# KiCad board pcb-rails.kicad_pcb (continued)
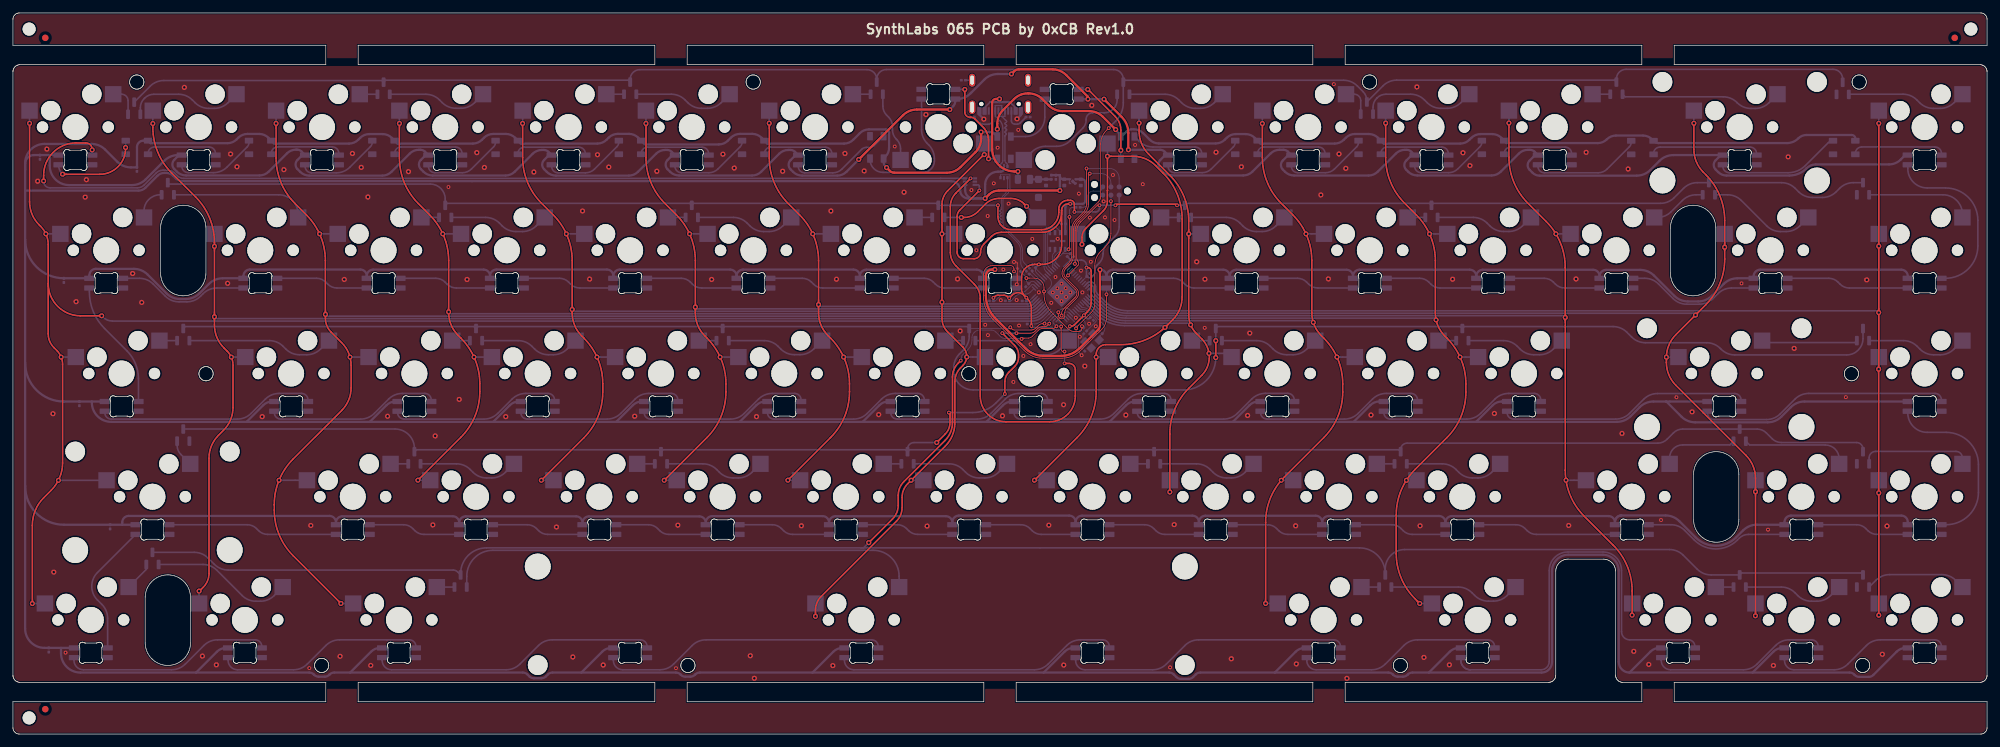
[diagram p0: board, top side]
## Routing (per net, layer and track width the routed paths; a pad name or vN(x,y) marks a point on that pad's centre or on a via; arc(x,y) is an arc through that point) (continued)
Board_0-Net-(D102-A2): length 2.7
  Bottom w0.25: MX35.2 105.98,60.83 D102.2
Board_0-Net-(D103-A1): length 15.8
  Bottom w0.25: MX38.2 161.83,59.53 arc(160.85,58.88) 159.71,58.65 158.84,58.65 arc(157.69,58.88) 156.72,59.53 156.29,59.95 arc(155.32,60.6) 154.17,60.83 D103.1
Board_0-Net-(D103-A2): length 2.7
  Bottom w0.25: MX37.2 144.08,60.83 D103.2
Board_0-Net-(D104-A1): length 15.8
  Bottom w0.25: D104.1 192.18,60.83 arc(193.33,60.6) 194.3,59.95 194.73,59.53 arc(195.7,58.88) 196.85,58.65 197.81,58.65 arc(198.95,58.88) 199.93,59.53 MX40.2
Board_0-Net-(D104-A2): length 2.7
  Bottom w0.25: D104.2 182.18,60.83 MX39.2
Board_0-Net-(D105-A1): length 15.8
  Bottom w0.25: D105.1 230.34,60.83 arc(231.49,60.6) 232.46,59.95 232.89,59.53 arc(233.86,58.88) 235.01,58.65 235.91,58.65 arc(237.05,58.88) 238.03,59.53 MX42.2
Board_0-Net-(D105-A2): length 2.7
  Bottom w0.25: D105.2 220.28,60.83 MX41.2
Board_0-Net-(D106-A1): length 15.8
  Bottom w0.25: D106.1 292.12,60.83 arc(293.27,60.6) 294.24,59.95 294.68,59.52 arc(295.65,58.87) 296.8,58.64 297.81,58.64 arc(298.96,58.87) 299.93,59.52 MX44.2
Board_0-Net-(D106-A2): length 14.9
  Bottom w0.25: MX43.2 270.58,60.53 284.63,60.53 D106.2
Board_0-Net-(D107-A2): length 4.3
  Bottom w0.25: MX45.2 25.95,43.22 arc(25.52,43.87) 25.37,44.64 D107.2
Board_0-Net-(D108-A1): length 15.8
  Bottom w0.25: MX47.2 76.1,40.48 arc(75.13,39.83) 73.98,39.6 73.21,39.6 arc(72.06,39.83) 71.09,40.48 70.66,40.9 arc(69.69,41.55) 68.54,41.78 D108.1
Board_0-Net-(D108-A2): length 2.7
  Bottom w0.25: D108.2 58.36,41.78 MX46.2
Board_0-Net-(D109-A1): length 15.8
  Bottom w0.25: D109.1 106.62,41.78 arc(107.77,41.55) 108.74,40.9 109.17,40.48 arc(110.14,39.83) 111.29,39.6 112.08,39.6 arc(113.23,39.83) 114.2,40.48 MX49.2
Board_0-Net-(D109-A2): length 2.7
  Bottom w0.25: MX48.2 99.18,41.78 D109.2
Board_0-Net-(D110-A1): length 15.8
  Bottom w0.25: D110.1 144.66,41.78 arc(145.81,41.55) 146.78,40.9 147.21,40.48 arc(148.18,39.83) 149.33,39.6 150.18,39.6 arc(151.33,39.83) 152.3,40.48 MX51.2
Board_0-Net-(D110-A2): length 2.7
  Bottom w0.25: D110.2 137.28,41.78 MX50.2
Board_0-Net-(D111-A1): length 15.8
  Bottom w0.25: MX53.2 190.4,40.48 arc(189.43,39.83) 188.28,39.6 187.56,39.6 arc(186.41,39.83) 185.44,40.48 185.01,40.9 arc(184.04,41.55) 182.89,41.78 D111.1
Board_0-Net-(D111-A2): length 2.7
  Bottom w0.25: MX52.2 175.38,41.78 D111.2
Board_0-Net-(D112-A1): length 15.8
  Bottom w0.25: D112.1 220.87,41.78 arc(222.02,41.55) 222.99,40.9 223.42,40.48 arc(224.39,39.83) 225.54,39.6 226.38,39.6 arc(227.53,39.83) 228.5,40.48 MX55.2
Board_0-Net-(D112-A2): length 2.7
  Bottom w0.25: MX54.2 213.48,41.78 D112.2
Board_0-Net-(D113-A1): length 16.7
  Bottom w0.25: MX57.2 282.19,42.56 arc(281.56,44.07) 280.05,44.7 268.36,44.7 D113.1
Board_0-Net-(D113-A2): length 12.2
  Bottom w0.25: D113.2 265.3,44.71 258,44.71 arc(256.58,44.12) 256,42.71 MX56.2
Board_0-Net-(D114-A1): length 17.4
  Bottom w0.25: D114.1 286.83,42.7 arc(287.12,43.41) 287.83,43.7 300.24,43.7 arc(300.95,43.41) 301.24,42.7 MX58.2
Board_0-Net-(D115-A1): length 22.1
  Bottom w0.25: D115.1 29.37,26.22 arc(30.52,25.99) 31.49,25.34 35.42,21.42 arc(36.39,20.77) 37.54,20.54 38.25,20.54 arc(39.4,20.77) 40.37,21.42 MX60.2
Board_0-Net-(D115-A2): length 4.6
  Bottom w0.25: D115.2 20.61,25.46 MX59.2
Board_0-Net-(D116-A1): length 74.7
  Bottom w0.25: MX62.2 136.94,24.41 arc(135.76,27.24) 132.94,28.41 74.15,28.41 arc(71.31,27.23) 70.13,24.39 D116.1
Board_0-Net-(D116-A2): length 2.7
  Bottom w0.25: D116.2 65.5,22.73 MX61.2
Board_0-Net-(D117-A1): length 20.6
  Bottom w0.25: MX64.2 230.88,21.43 arc(229.91,20.78) 228.76,20.55 228,20.55 arc(226.85,20.78) 225.88,21.43 225.45,21.85 arc(224.48,22.5) 223.33,22.73 D117.1
Board_0-Net-(D117-A2): length 2.7
  Bottom w0.25: MX63.2 208.38,22.73 D117.2
Board_0-Net-(D118-A1): length 15.8
  Bottom w0.25: MX66.2 280.88,21.42 arc(279.91,20.77) 278.76,20.54 277.92,20.54 arc(276.77,20.77) 275.8,21.42 275.36,21.85 arc(274.39,22.5) 273.24,22.73 D118.1
Board_0-Net-(D118-A2): length 2.7
  Bottom w0.25: MX65.2 263.14,22.73 D118.2
Board_0-Net-(D119-A1): length 15.7
  Bottom w0.25: MX67.2 300.2,23.78 arc(299.22,24.43) 298.07,24.65 289.99,24.65 arc(288.84,24.43) 287.87,23.78 D119.1
Board_0-Net-(D120-A2): length 3.3
  Bottom w0.35: F1.2 D120.2 160.45,85.77 FB1.1
Board_0-Net-(F1-Pad1): length 22.8
  Top w0.35: v2(155.29,86.99) 154.76,86.99 arc(152.33,88) 151.32,90.44 151.32,97.63 arc(151.48,98.03) 151.88,98.2 v2(152.45,98.2)
  Bottom w0.25: 154.03,97.72 154.06,97.72 154.94,96.84 J2.A9 ; J2.A4 150.14,96.85 151.01,97.72 151.05,97.72
  Bottom w0.35: v2(155.29,86.99) 155.29,86.99 F1.1 ; 154.03,97.72 152.45,97.72 ; 152.45,97.72 v2(152.45,98.2) ; 152.45,97.72 151.05,97.72
Board_0-Net-(J2-CC1): length 5
  Bottom w0.25: R3.1 149.49,94.44 arc(149.65,94.33) 149.84,94.29 150.79,94.29 arc(151.14,94.44) 151.29,94.79 J2.A5
Board_0-Net-(J2-CC2): length 4.5
  Bottom w0.25: R4.1 155.6,94.46 arc(155.44,94.35) 155.25,94.31 154.79,94.31 arc(154.43,94.46) 154.29,94.81 J2.B5
Board_0-Net-(J2-SHIELD): length 1
  Bottom w0.25: FB2.1 J2.S1
Board_0-Net-(U6-XTAL_IN): length 7.6
  Bottom w0.128: U6.20 165.21,65.96 arc(165.85,65.83) 166.38,65.48 168.43,63.43 arc(168.72,62.72) 168.43,62.02 C23.2 167.86,61.45 Y2.3
Board_0-Net-(U6-XTAL_OUT): length 5.9
  Bottom w0.128: R20.2 167.32,63.75 arc(167.41,63.96) 167.32,64.17 166.25,65.25 arc(165.78,65.56) 165.23,65.67 164.94,65.67 U6.21
Board_0-R0: length 308.8
  Top w0.128: v1(164.1,72.7) 164.14,72.74 164.14,77.87 arc(164.29,78.63) 164.72,79.28 167.73,82.28 arc(167.99,82.68) 168.09,83.16 168.09,91.22 arc(168.32,92.37) 168.97,93.34 v1(169.32,93.69)
  Bottom w0.128: v1(164.1,72.7) 163.42,72.7 arc(163.34,72.68) 163.28,72.64 U6.2
  Bottom w0.25: v1(169.32,93.69) 170.41,94.78 arc(171.27,96.08) 171.58,97.61 D88.3 ; D88.3 171.58,101.25 arc(171.14,102.31) 170.08,102.75 134.98,102.75 arc(133.92,102.31) 133.48,101.25 D87.3 133.48,101.23 arc(133.04,102.29) 131.98,102.73 96.88,102.73 arc(95.82,102.29) 95.38,101.23 D86.3 95.09,101.1 57.58,101.1 D85.3 57.02,101.05 23.32,101.05 arc(22.17,100.82) 21.2,100.17 D84.3 ; D88.3 171.87,101.09 205.62,101.09 arc(206.77,100.86) 207.74,100.21 208.63,99.32 arc(209.06,98.67) 209.22,97.91 D89.3 211.71,100.23 arc(212.68,100.88) 213.83,101.11 247.48,101.11 D90.3 247.78,101.28 arc(248.22,102.34) 249.28,102.78 281.24,102.78 arc(282.3,102.34) 282.74,101.28 D91.3
Board_0-R1: length 290.2
  Top w0.128: v1(163.03,70.91) 164.55,72.44 arc(164.7,72.79) 164.55,73.14 164.54,73.16 arc(164.43,73.32) 164.39,73.51 164.39,77.76 arc(164.55,78.53) 164.98,79.18 167.56,81.76 v1(167.9,81.76) ; 179.71,81.93 v1(179.88,81.76) ; v1(170.36,81.76) 170.53,81.93
  Top w0.25: v1(152.21,81.76) 152.21,80 arc(152.79,78.58) 154.21,78 158.92,78 arc(160.82,78.78) 161.61,80.68 161.61,81.15 arc(162.01,82.12) 162.99,82.53 163.4,82.53 arc(163.84,82.35) 164.02,81.91 v1(164.02,80.73) ; 170.53,81.93 179.71,81.93
  Bottom w0.128: U6.3 162.93,71.72 162.93,71.01 v1(163.03,70.91)
  Bottom w0.25: v1(152.21,81.76) 152.2,81.76 D95.3 142.7,82.06 105.2,82.06 D94.3 104.6,82.06 67.1,82.06 D93.3 66.8,82.73 arc(66.12,84.36) 64.49,85.04 24.14,85.04 D92.3 ; v1(170.36,81.76) v1(167.9,81.76) 167.9,81.32 arc(167.73,80.9) 167.31,80.73 v1(164.02,80.73) ; D99.3 284.39,85.26 arc(283.24,85.03) 282.27,84.38 281.74,83.85 arc(280.76,83.2) 279.61,82.97 278.05,82.97 arc(276.9,83.2) 275.93,83.85 275.4,84.38 arc(274.42,85.03) 273.28,85.26 D98.3 260.27,85.26 arc(259.12,85.03) 258.15,84.38 256.71,82.94 arc(255.73,82.29) 254.58,82.06 219.5,82.06 D97.3 218.9,82.06 181.4,82.06 D96.3 v1(179.88,81.76)
Board_0-R2: length 297.8
  Top w0.128: v1(154.12,62.9) 154.4,62.62 arc(154.56,62.51) 154.75,62.47 157.34,62.47 arc(157.72,62.55) 158.04,62.77 158.45,63.18 arc(158.78,63.39) 159.16,63.47 v1(159.41,63.47)
  Top w0.25: v2(185.87,58.21) v2(185.87,60.83)
  Bottom w0.128: U6.32 159.41,63.68 v1(159.41,63.47) ; D103.3 147.79,62.73 153.94,62.73 v1(154.12,62.9)
  Bottom w0.25: D106.3 285.88,61.15 arc(285.14,59.36) 283.35,58.62 266.08,58.62 arc(264.93,58.85) 263.96,59.5 263.83,59.63 arc(262.85,60.28) 261.7,60.51 252.25,60.51 arc(251.1,60.74) 250.13,61.39 249.39,62.13 arc(248.41,62.78) 247.27,63.01 224.27,63.01 D105.3 223.67,63.01 186.17,63.01 D104.3 v2(185.87,60.83) ; D100.3 26.62,63.01 71.26,63.01 D101.3 71.86,63.01 109.37,63.01 D102.3 109.97,63.01 147.47,63.01 D103.3 147.77,61.52 arc(147.54,60.37) 146.89,59.4 146.26,58.77 arc(145.61,57.8) 145.38,56.65 145.38,56.21 arc(146.26,54.09) 148.38,53.21 180.87,53.21 arc(184.4,54.67) v2(185.87,58.21)
Board_0-R3: length 306.9
  Top w0.128: v1(155.06,61.98) 157.22,61.98 arc(157.6,62.06) 157.92,62.28 158.33,62.69 arc(158.66,62.9) 159.04,62.98 159.45,62.98 arc(159.64,63.02) 159.8,63.12 v1(160.13,63.46)
  Top w0.25: v1(152.88,61.99) 154.82,60.05 arc(155.25,59.4) 155.4,58.64 155.4,58.27 arc(155.25,57.51) 154.82,56.86 153.86,55.91 arc(153.43,55.26) 153.28,54.49 v1(153.28,52.58) ; v1(144.62,49.71) 144.8,49.54 144.8,48.19 arc(144.6,47.21) 144.05,46.38 v2(142.74,45.07)
  Bottom w0.128: 152.88,61.98 v1(152.88,61.99) ; U6.31 160.3,64 arc(160.18,63.82) 160.13,63.61 v1(160.13,63.46)
  Bottom w0.25: D110.3 138.54,43.96 176.04,43.96 D111.3 176.64,43.96 214.14,43.96 D112.3 214.44,43.98 arc(214.73,44.69) 215.44,44.98 254.17,44.98 arc(254.93,45.13) 255.58,45.57 256.59,46.57 arc(257.24,47.01) 258,47.16 D113.3 269.52,47.16 arc(270.29,47.01) 270.94,46.57 271.84,45.66 arc(272.49,45.23) 273.26,45.08 284.88,45.08 arc(285.58,44.78) 285.88,44.08 D114.3 ; D110.3 138.24,44.07 arc(138.53,44.78) 139.24,45.07 v2(142.74,45.07) ; D110.3 137.94,43.96 100.44,43.96 D109.3 99.84,43.96 62.34,43.96 D108.3 62.04,44.17 arc(61.16,46.29) 59.04,47.17 D107.3 ; v1(144.62,49.71) 148.34,49.71 arc(150.25,50.09) 151.87,51.17 v1(153.28,52.58) ; v1(155.06,61.98) 152.88,61.98
Board_0-R4: length 330.3
  Top w0.128: v1(161.25,63.05) 161.07,62.87 arc(160.9,62.76) 160.71,62.72 159.16,62.72 arc(158.78,62.65) 158.45,62.43 157.53,61.51 arc(157.25,61.31) 156.92,61.22 155.99,61.22 v1(155.87,61.1)
  Top w0.25: v2(132.24,29.59) 135.92,33.27 arc(136.57,34.24) 136.8,35.39 136.8,36.92 arc(137.03,38.07) 137.68,39.04 144.04,45.41 arc(144.88,46.66) 145.18,48.15 145.18,55.21 arc(145.41,56.37) 146.07,57.36 v1(146.46,57.75)
  Bottom w0.128: U6.30 160.8,63.94 arc(160.71,63.72) 160.8,63.5 v1(161.25,63.05) ; v1(146.46,57.75) 146.54,57.83 146.54,58.22 arc(146.58,58.41) 146.68,58.58 147.61,59.5 arc(148.04,60.15) 148.2,60.92 148.2,61.32 arc(148.27,61.7) 148.49,62.02 148.63,62.17 arc(148.96,62.38) 149.34,62.46 151.17,62.46 arc(151.56,62.38) 151.88,62.17 152.6,61.44 arc(152.93,61.23) 153.31,61.15 155.82,61.15 v1(155.87,61.1)
  Bottom w0.25: 131.06,28.79 131.44,28.79 v2(132.24,29.59) ; 131.06,28.79 208.06,28.79 arc(210.89,27.62) 212.06,24.79 D117.3 212.06,25.53 arc(212.94,27.65) 215.06,28.53 255.98,28.53 arc(257.13,28.3) 258.11,27.65 260.27,25.49 arc(261.24,24.84) 262.39,24.61 D118.3 267.13,24.91 285.58,24.91 D119.3 ; 131.06,28.79 73.18,28.79 arc(70.35,27.62) 69.18,24.79 D116.3 68.72,25.07 arc(68.39,25.28) 68.01,25.36 33.25,25.36 arc(32.11,25.59) 31.13,26.24 30.15,27.22 arc(29.18,27.87) 28.03,28.1 D115.3
Board_0-VCC: length 2382.9
  Top w0.35: v2(135,87.59) 135.5,87.09 arc(135.82,86.87) 136.21,86.8 144.32,86.8 arc(145.47,87.02) 146.44,87.67 148.73,89.96 arc(149.38,90.93) 149.61,92.08 v2(149.61,93.09) ; v2(152.11,93.53) 152.11,94.36 arc(152.34,95.51) 152.99,96.48 154.69,98.18 arc(155.66,98.83) 156.81,99.06 156.95,99.06 arc(158.1,98.83) 159.08,98.18 160.05,97.2 arc(161.03,96.55) 162.18,96.32 166.3,96.32 arc(167.45,96.1) 168.42,95.45 v2(170.4,93.47) ; v2(168.6,98.16) 171.32,95.43 arc(172.09,94.29) 172.36,92.94 172.36,90.36 v2(172.38,90.34) ; v2(144.77,96.56) 139.66,96.56 arc(138.51,96.33) 137.54,95.68 v2(130.7,88.84) ; v2(161.78,84.04) 152.34,84.04 arc(151.52,83.88) 150.81,83.41 v2(150.23,82.82) ; v2(151.73,71.83) 151.34,71.83 arc(150.63,71.54) 150.34,70.83 150.34,67.82 arc(150.72,65.91) 151.8,64.28 156.43,59.65 arc(157.73,58.79) 159.26,58.48 161.98,58.48 arc(163.51,58.79) 164.81,59.65 167.68,62.53 arc(167.9,62.85) 167.97,63.23 167.97,71.83 ; v2(154.3,102.06) 154.72,102.49 arc(155.05,102.7) 155.43,102.78 160.63,102.78 arc(161.78,102.55) 162.75,101.9 166.11,98.55 v2(166.11,98.17)
  Bottom w0.128: U8.3 163.24,85.22 163.24,85.7 U8.4
  Bottom w0.35: D29.1 292.4,89.52 291.7,88.82 arc(290.88,88.27) 289.91,88.08 278.59,88.08 arc(277.82,87.93) 277.17,87.49 277.12,87.44 arc(275.92,86.64) 274.51,86.36 264.78,86.36 arc(264.09,86.5) 263.51,86.89 263.1,87.29 arc(262.81,88) 263.1,88.71 263.92,89.52 D28.1 256.56,89.52 arc(255.42,89.29) 254.44,88.64 253.02,87.22 arc(252.05,86.57) 250.9,86.34 235.9,86.34 arc(235.31,86.46) 234.82,86.79 234.35,87.25 arc(234.06,87.96) 234.35,88.67 235.21,89.52 D27.1 235.13,90.04 arc(234.81,90.26) 234.42,90.33 234.11,90.33 arc(233.34,90.18) 232.69,89.75 229.91,86.96 arc(229.26,86.52) 228.49,86.37 217,86.37 arc(216.24,86.52) 215.59,86.96 215.29,87.25 arc(215,87.96) 215.29,88.67 216.15,89.52 D26.1 216.08,90.04 arc(215.76,90.26) 215.37,90.33 215.1,90.33 arc(214.33,90.18) 213.68,89.75 210.89,86.95 arc(210.24,86.51) 209.47,86.36 197.97,86.36 arc(197.21,86.51) 196.56,86.95 196.23,87.28 arc(195.94,87.98) 196.23,88.69 197.06,89.52 D25.1 197.02,90.05 arc(196.7,90.26) 196.31,90.34 195.74,90.34 arc(194.97,90.19) 194.32,89.76 191.53,86.96 arc(190.88,86.52) 190.11,86.37 179.07,86.37 arc(178.31,86.52) 177.66,86.96 177.28,87.34 arc(176.99,88.04) 177.28,88.75 178.05,89.52 D24.1 177.97,90.05 arc(177.65,90.26) 177.26,90.34 172.38,90.34 v2(172.38,90.34) ; 1.88,38.36 1.88,57.42 ; 1.88,38.36 1.88,16.33 arc(2.76,14.2) 4.88,13.33 9.43,13.33 ; 1.88,38.36 arc(3.64,34.12) 7.88,32.36 16.89,32.36 ; 1.88,57.42 1.88,76.47 ; 1.88,57.42 arc(3.64,53.17) 7.88,51.42 12.19,51.42 ; D51.1 135.29,51.42 arc(134.52,51.27) 133.87,50.83 131.31,48.27 ; 159.27,9.51 162.49,12.73 arc(163.14,13.17) 163.91,13.32 164.22,13.32 ; 159.27,9.51 123.55,9.51 ; 159.27,9.51 178.67,9.51 arc(179.05,9.44) 179.38,9.22 179.77,8.82 arc(180.1,8.61) 180.48,8.53 181.66,8.53 arc(182.05,8.61) 182.37,8.82 182.77,9.22 arc(183.09,9.44) 183.47,9.51 194.99,9.51 ; 12.19,51.42 12.19,51.27 arc(13.07,49.15) 15.19,48.27 36.1,48.27 ; 12.19,51.42 14.19,51.42 D45.1 ; 194.99,9.51 212.52,9.51 arc(212.9,9.44) 213.23,9.22 213.28,9.16 arc(213.61,8.95) 213.99,8.87 214.79,8.87 arc(215.18,8.95) 215.5,9.16 215.56,9.22 arc(215.88,9.44) 216.26,9.51 218.8,9.51 ; 194.99,9.51 198.21,12.73 arc(198.86,13.17) 199.63,13.32 199.94,13.32 ; D48.1 78.19,51.42 arc(77.42,51.27) 76.77,50.83 74.21,48.27 ; D56.1 230.07,51.42 arc(229.3,51.27) 228.65,50.83 226.09,48.27 ; 292.8,13.32 292.49,13.32 arc(291.72,13.17) 291.07,12.73 287.47,9.13 arc(287.15,8.92) 286.76,8.84 285.3,8.84 arc(284.92,8.92) 284.59,9.13 284.51,9.22 arc(284.18,9.44) 283.8,9.51 268.81,9.51 ; 268.81,9.51 272.03,12.73 arc(272.68,13.17) 273.45,13.32 273.76,13.32 ; 268.81,9.51 249.79,9.51 ; 188.5,48.27 191.06,50.83 arc(191.71,51.27) 192.48,51.42 D54.1 ; 188.5,48.27 207.17,48.27 ; 188.5,48.27 169.44,48.27 ; 28.3,9.51 10.43,9.51 arc(8.3,10.39) 7.43,12.51 7.43,13.31 ; 28.3,9.51 45.78,9.51 arc(46.16,9.44) 46.49,9.22 46.54,9.16 arc(46.87,8.95) 47.25,8.87 48.17,8.87 arc(48.56,8.95) 48.88,9.16 48.94,9.22 arc(49.26,9.44) 49.64,9.51 52.11,9.51 ; 28.3,9.51 31.52,12.73 arc(32.17,13.17) 32.94,13.32 33.25,13.32 ; 112.3,48.27 131.31,48.27 ; 112.3,48.27 93.22,48.27 ; 112.3,48.27 114.86,50.83 arc(115.51,51.27) 116.28,51.42 D50.1 ; 131.31,48.27 150.42,48.27 ; 92.78,13.32 92.47,13.32 arc(91.7,13.17) 91.05,12.73 87.83,9.51 ; 52.11,9.51 78.79,9.51 arc(79.17,9.44) 79.5,9.22 79.79,8.92 arc(80.12,8.71) 80.5,8.63 81.66,8.63 arc(82.05,8.71) 82.37,8.92 82.67,9.22 arc(82.99,9.44) 83.37,9.51 87.83,9.51 ; 52.11,9.51 55.33,12.73 arc(55.98,13.17) 56.75,13.32 D75.1 ; 111.82,70.82 D35.1 111.82,70.82 ; 111.82,70.82 arc(111.53,71.53) 110.82,71.82 93.77,71.82 arc(93.07,71.53) 92.77,70.82 D34.1 92.77,70.83 arc(92.48,71.54) 91.77,71.83 74.72,71.83 arc(74.02,71.54) 73.72,70.83 D33.1 73.72,70.82 arc(73.43,71.53) 72.72,71.82 55.67,71.82 arc(54.97,71.53) 54.67,70.82 D32.1 54.67,70.83 arc(54.38,71.54) 53.67,71.83 36.62,71.83 arc(35.92,71.54) 35.62,70.83 D31.1 32.4,70.47 arc(31.25,70.24) 30.28,69.59 28.83,68.14 arc(27.85,67.49) 26.7,67.26 25.84,67.26 arc(24.69,67.49) 23.72,68.14 20.81,71.05 arc(19.83,71.7) 18.68,71.93 12.81,71.93 arc(12.1,71.64) 11.81,70.93 D30.1 11.81,70.47 7.88,70.47 arc(3.64,72.23) 1.88,76.47 ; 111.82,70.82 arc(112.12,71.53) 112.82,71.82 129.87,71.82 arc(130.58,71.53) 130.87,70.82 D36.1 130.87,70.81 arc(131.17,71.52) 131.87,71.81 148.92,71.81 arc(149.63,71.52) 149.92,70.81 D37.1 149.92,70.83 arc(150.22,71.54) 150.92,71.83 151.73,71.83 v2(151.73,71.83) ; 123.55,9.51 106.14,9.51 arc(105.76,9.44) 105.44,9.22 105.38,9.16 arc(105.06,8.95) 104.67,8.87 103.91,8.87 arc(103.53,8.95) 103.2,9.16 103.15,9.22 arc(102.82,9.44) 102.44,9.51 87.83,9.51 ; 123.55,9.51 126.77,12.73 arc(127.42,13.17) 128.19,13.32 128.5,13.32 ; 207.17,48.27 226.09,48.27 ; 207.17,48.27 209.73,50.83 arc(210.38,51.27) 211.15,51.42 D55.1 ; 226.09,48.27 247.86,48.27 arc(249,48.5) 249.98,49.15 251.37,50.54 arc(252.34,51.19) 253.49,51.42 255.44,51.42 ; v2(154.3,102.06) 152.21,102.06 arc(151.06,101.83) 150.09,101.18 147.97,99.06 arc(146.99,98.41) 145.84,98.18 D22.1 145.6,97.81 arc(145.52,97.42) 145.31,97.1 v2(144.77,96.56) ; D58.1 276.85,51.42 arc(275.7,51.19) 274.73,50.54 273.27,49.08 arc(272.29,48.43) 271.14,48.2 259.95,48.2 arc(258.8,48.43) 257.83,49.08 255.49,51.42 255.44,51.42 ; D47.1 59.12,51.42 arc(58.35,51.27) 57.7,50.83 55.14,48.27 ; D14.3 284.7,92.07 arc(284.53,92.47) 284.14,92.63 277.15,92.63 arc(276.46,92.49) 275.88,92.11 arc(275.07,91.57) 274.12,91.38 254.29,91.38 arc(253.9,91.45) 253.58,91.67 D13.3 253.29,91.95 arc(252.64,92.39) 251.88,92.54 247.71,92.54 arc(246.94,92.39) 246.29,91.95 arc(245.65,91.53) 244.89,91.38 230.81,91.38 D12.3 230,92.18 arc(229.35,92.62) 228.59,92.77 226.78,92.77 arc(226.01,92.62) 225.36,92.18 225.06,91.89 arc(224.41,91.45) 223.65,91.3 211.83,91.3 D11.3 210.93,92.19 arc(210.28,92.63) 209.52,92.78 207.38,92.78 arc(206.61,92.63) 205.96,92.19 205.65,91.89 arc(205,91.45) 204.24,91.3 192.78,91.3 D10.3 191.89,92.18 arc(191.24,92.62) 190.48,92.77 188.97,92.77 arc(188.2,92.62) 187.55,92.18 187.27,91.91 arc(186.62,91.47) 185.86,91.32 177.07,91.32 arc(176.3,91.47) 175.65,91.91 174.63,92.92 arc(173.98,93.36) 173.22,93.51 172.84,93.51 arc(172.46,93.43) 172.14,93.22 171.32,92.4 D9.3 171.2,92.61 170.4,93.41 v2(170.4,93.47) ; 1.88,76.47 1.88,84.02 ; 74.21,48.27 93.22,48.27 ; 74.21,48.27 55.14,48.27 ; D53.1 173.42,51.42 arc(172.65,51.27) 172,50.83 169.44,48.27 ; 16.89,32.36 18.95,32.36 D59.1 ; 16.89,32.36 16.89,32.73 arc(17.18,33.44) 17.89,33.73 48.91,33.73 arc(49.62,33.44) 49.91,32.73 D60.1 49.91,32.68 arc(50.2,33.39) 50.91,33.68 67.96,33.68 arc(68.67,33.39) 68.96,32.68 D61.1 68.96,32.67 arc(69.25,33.38) 69.96,33.67 87.01,33.67 arc(87.72,33.38) 88.01,32.67 D62.1 88.01,32.66 arc(88.3,33.37) 89.01,33.66 106.06,33.66 arc(106.77,33.37) 107.06,32.66 D63.1 107.06,32.7 arc(107.35,33.41) 108.06,33.7 125.11,33.7 arc(125.82,33.41) 126.11,32.7 D64.1 126.11,32.69 arc(126.4,33.4) 127.11,33.69 144.16,33.69 arc(144.87,33.4) 145.16,32.69 D65.1 145.16,32.78 arc(145.45,33.49) 146.16,33.78 163.21,33.78 arc(163.92,33.49) 164.21,32.78 D66.1 164.21,32.77 arc(164.5,33.48) 165.21,33.77 182.26,33.77 arc(182.97,33.48) 183.26,32.77 D67.1 183.26,32.76 arc(183.55,33.47) 184.26,33.76 201.31,33.76 arc(202.02,33.47) 202.31,32.76 D68.1 202.31,32.72 arc(202.6,33.43) 203.31,33.72 220.36,33.72 arc(221.07,33.43) 221.36,32.72 D69.1 221.36,32.71 arc(221.65,33.42) 222.36,33.71 246.56,33.71 arc(247.26,33.42) 247.56,32.71 D70.1 247.56,32.8 247.56,32.89 247.59,33.06 247.65,33.22 247.73,33.37 247.85,33.51 247.98,33.62 248.13,33.71 248.3,33.77 248.47,33.8 248.56,33.8 255.37,33.8 arc(256.52,33.57) 257.5,32.92 260.01,30.41 arc(263.14,29.11) 266.27,30.41 267.35,31.49 arc(268.33,32.14) 269.48,32.37 D71.1 273.75,32.78 arc(274.04,33.49) 274.75,33.78 291.8,33.78 arc(292.51,33.49) 292.8,32.78 D72.1 ; D44.1 292.8,70.8 arc(292.51,71.51) 291.8,71.8 269.99,71.8 arc(269.28,71.51) 268.99,70.8 D43.1 266.47,70.47 arc(265.32,70.24) 264.35,69.59 262.53,67.77 arc(261.55,67.12) 260.4,66.89 258.83,66.89 arc(257.68,67.12) 256.71,67.77 253.59,70.89 arc(252.61,71.54) 251.46,71.77 246.17,71.77 arc(245.47,71.48) 245.17,70.77 D42.1 245.17,70.79 arc(244.88,71.5) 244.17,71.79 227.12,71.79 arc(226.42,71.5) 226.12,70.79 D41.1 226.12,70.8 arc(225.83,71.51) 225.12,71.8 208.07,71.8 arc(207.37,71.51) 207.07,70.8 D40.1 207.07,70.79 arc(206.78,71.5) 206.07,71.79 189.02,71.79 arc(188.32,71.5) 188.02,70.79 D39.1 188.02,70.8 arc(187.73,71.51) 187.02,71.8 169.97,71.8 arc(169.27,71.51) 168.97,70.8 D38.1 168.97,70.83 arc(168.77,71.44) 168.23,71.8 168.01,71.8 ; 1.88,84.02 1.88,87.26 ; 1.88,84.02 19.41,84.02 arc(19.98,84.14) 20.47,84.46 22.33,86.32 arc(22.81,86.65) 23.39,86.76 23.7,86.76 arc(24.28,86.65) 24.76,86.32 25.16,85.93 arc(25.64,85.6) 26.22,85.49 144.97,85.49 arc(145.96,85.08) 146.37,84.09 arc(146.74,83.19) 147.64,82.82 150.22,82.82 ; 1.88,87.26 1.88,88.16 arc(2.28,89.13) 3.24,89.53 5.7,89.53 ; 1.88,87.26 1.88,88.25 arc(2.76,90.37) 4.88,91.25 12.12,91.25 arc(13.27,91.02) 14.25,90.37 16.12,88.49 arc(17.1,87.84) 18.24,87.62 19.17,87.62 19.17,90.75 arc(19.46,91.46) 20.17,91.75 D1.3 21.27,91.36 33.15,91.36 arc(33.91,91.51) 34.56,91.95 34.82,92.2 arc(35.47,92.64) 36.24,92.79 38.06,92.79 arc(38.82,92.64) 39.47,92.2 D2.3 40.38,91.3 51.94,91.3 arc(52.7,91.45) 53.35,91.89 53.65,92.18 arc(54.3,92.62) 55.07,92.77 57.13,92.77 arc(57.89,92.62) 58.54,92.18 D3.3 59.43,91.3 71.06,91.3 arc(71.82,91.45) 72.47,91.89 72.79,92.2 arc(73.44,92.64) 74.21,92.79 76.18,92.79 arc(76.94,92.64) 77.59,92.2 78.03,91.77 D4.3 78.48,91.3 90.31,91.3 arc(91.07,91.45) 91.72,91.89 92.05,92.21 arc(92.7,92.65) 93.47,92.8 95.2,92.8 arc(95.96,92.65) 96.61,92.21 D5.3 97.66,91.17 109.07,91.17 arc(109.83,91.32) 110.48,91.75 110.94,92.21 arc(111.59,92.65) 112.36,92.8 114.25,92.8 arc(115.01,92.65) 115.66,92.21 116.12,91.76 D6.3 116.57,91.3 128.43,91.3 arc(129.19,91.45) 129.84,91.89 130.86,92.9 arc(131.51,93.34) 132.28,93.49 134.87,93.49 arc(135.24,93.34) 135.39,92.97 135.39,90.67 arc(135.23,89.9) 134.8,89.25 D7.3 134.54,88.46 arc(134.61,88.08) 134.83,87.76 v2(135,87.59) ; 169.44,48.27 150.42,48.27 ; U2.5 153.14,87.46 arc(152.99,87.11) 152.64,86.96 152.23,86.96 arc(150.81,86.37) 150.23,84.96 v2(150.23,82.82) 148.41,82.82 arc(147.51,83.19) 147.14,84.1 U7.1 ; 93.22,48.27 95.78,50.83 arc(96.43,51.27) 97.2,51.42 D49.1 ; v2(130.7,88.84) 128.79,86.93 arc(128.14,86.5) 127.37,86.34 121.96,86.34 arc(121.2,86.5) 120.55,86.93 120.15,87.32 arc(119.86,88.03) 120.15,88.74 120.94,89.52 121.35,89.52 120.85,90.02 arc(120.53,90.24) 120.14,90.31 119.82,90.31 arc(119.05,90.16) 118.4,89.73 115.63,86.95 arc(114.98,86.51) 114.21,86.36 102.95,86.36 arc(102.19,86.51) 101.54,86.95 101.15,87.34 arc(100.86,88.04) 101.15,88.75 101.92,89.52 D20.1 101.8,90.02 arc(101.48,90.24) 101.09,90.31 100.79,90.31 arc(100.02,90.16) 99.37,89.73 96.58,86.93 arc(95.93,86.5) 95.16,86.34 83.9,86.34 arc(83.14,86.5) 82.49,86.93 82.07,87.34 arc(81.78,88.05) 82.07,88.76 82.84,89.52 D19.1 82.75,90.02 arc(82.43,90.24) 82.04,90.31 81.73,90.31 arc(80.96,90.16) 80.31,89.73 77.54,86.95 arc(76.89,86.51) 76.12,86.36 64.85,86.36 arc(64.09,86.51) 63.44,86.95 63.03,87.36 arc(62.74,88.06) 63.03,88.77 63.78,89.52 D18.1 64.2,89.52 63.67,90.05 arc(63.34,90.27) 62.96,90.34 62.73,90.34 arc(61.96,90.19) 61.31,89.76 58.49,86.93 arc(57.84,86.5) 57.07,86.34 45.8,86.34 arc(45.04,86.5) 44.39,86.93 43.96,87.35 arc(43.67,88.06) 43.96,88.77 44.72,89.52 D17.1 44.6,90.07 arc(44.28,90.29) 43.89,90.36 43.75,90.36 arc(42.98,90.21) 42.33,89.78 39.52,86.96 arc(38.87,86.52) 38.1,86.37 26.75,86.37 arc(25.99,86.52) 25.34,86.96 24.93,87.37 arc(24.64,88.07) 24.93,88.78 25.67,89.52 D16.1 25.51,89.52 arc(24.36,89.29) 23.39,88.64 20.51,85.76 arc(19.53,85.11) 18.38,84.88 8.69,84.88 arc(6.57,85.76) 5.69,87.88 5.69,89.51 5.7,89.53 ; v2(149.61,93.09) 150.99,93.09 arc(151.37,93.01) 151.69,92.79 D8.3 152.1,93.52 v2(152.11,93.53) ; 150.42,48.27 152.98,50.83 arc(153.63,51.27) 154.4,51.42 D52.1 ; 249.79,9.51 253.02,12.73 arc(253.67,13.17) 254.43,13.32 254.74,13.32 ; 249.79,9.51 arc(248.62,10) 248.14,11.17 248.14,25.26 arc(247.42,27) 245.68,27.72 240.35,27.72 arc(238.56,26.98) 237.82,25.19 237.82,11.12 arc(237.35,9.98) 236.21,9.51 218.8,9.51 ; 36.1,48.27 55.14,48.27 ; 36.1,48.27 38.66,50.83 arc(39.31,51.27) 40.08,51.42 D46.1 ; v2(168.6,98.16) 168.59,98.17 v2(166.11,98.17) 164.66,98.17 D23.1 ; 255.44,51.42 D57.1 ; 5.7,89.53 7.04,89.53 ; 161.78,86.42 161.17,86.42 C16.1 161.15,86.42 FB1.2 ; 161.78,86.42 161.78,86.28 arc(161.92,85.93) 162.28,85.78 C39.1 163.32,85.78 ; 161.78,86.42 v2(161.78,84.04) ; 223.75,13.32 223.44,13.32 arc(222.67,13.17) 222.02,12.73 218.8,9.51
  vias: v2(167.98,71.79)

## Copper pours and planes (outline as drawn; the poured copper is in the pictures)
(no net) on Top: 48.34,5 0,5 0,1 0,0.9 0.02,0.8 0.04,0.71 0.08,0.62 0.12,0.53 0.17,0.44 0.23,0.37 0.29,0.29 0.37,0.23 0.44,0.17 0.53,0.12 0.62,0.08 0.71,0.04 0.8,0.02 0.9,0 1,0 304.05,0 304.15,0 304.24,0.02 304.34,0.04 304.43,0.08 304.52,0.12 304.6,0.17 304.68,0.23 304.76,0.29 304.82,0.37 304.88,0.44 304.93,0.53 304.97,0.62 305.01,0.71 305.03,0.8 305.04,0.9 305.05,1 305.05,5 256.71,5 256.71,7 248.75,7 246.65,9.1 246.65,25.14 246.65,25.2 246.65,25.24 246.64,25.29 246.63,25.33 246.62,25.38 246.61,25.42 246.59,25.46 246.58,25.5 246.56,25.55 246.54,25.59 246.51,25.63 246.49,25.66 246.46,25.7 246.43,25.74 246.4,25.77 246.37,25.8 246.34,25.83 246.3,25.86 246.26,25.89 246.23,25.91 246.19,25.94 246.15,25.96 246.1,25.98 246.06,25.99 246.02,26.01 245.98,26.02 245.93,26.03 245.89,26.04 245.84,26.05 245.8,26.05 245.74,26.05 240.31,26.05 240.25,26.05 240.21,26.05 240.16,26.04 240.12,26.03 240.07,26.02 240.03,26.01 239.98,25.99 239.94,25.98 239.9,25.96 239.86,25.94 239.82,25.91 239.78,25.89 239.75,25.86 239.71,25.83 239.68,25.8 239.64,25.77 239.61,25.74 239.59,25.7 239.56,25.66 239.53,25.63 239.51,25.59 239.49,25.55 239.47,25.5 239.45,25.46 239.44,25.42 239.43,25.38 239.42,25.33 239.41,25.29 239.4,25.24 239.4,25.2 239.4,25.14 239.4,9.1 237.3,7 48.34,7
